# Altium PCB PCB.PcbDoc
Units mil, origin at the board's own origin, x right, y up, seen from the top; angles counter-clockwise.
Board outline 9015 x 5225 mil, 2 copper layers (Top Layer, Bottom Layer); 11 components, 0 nets, 212 pads, 0 vias.
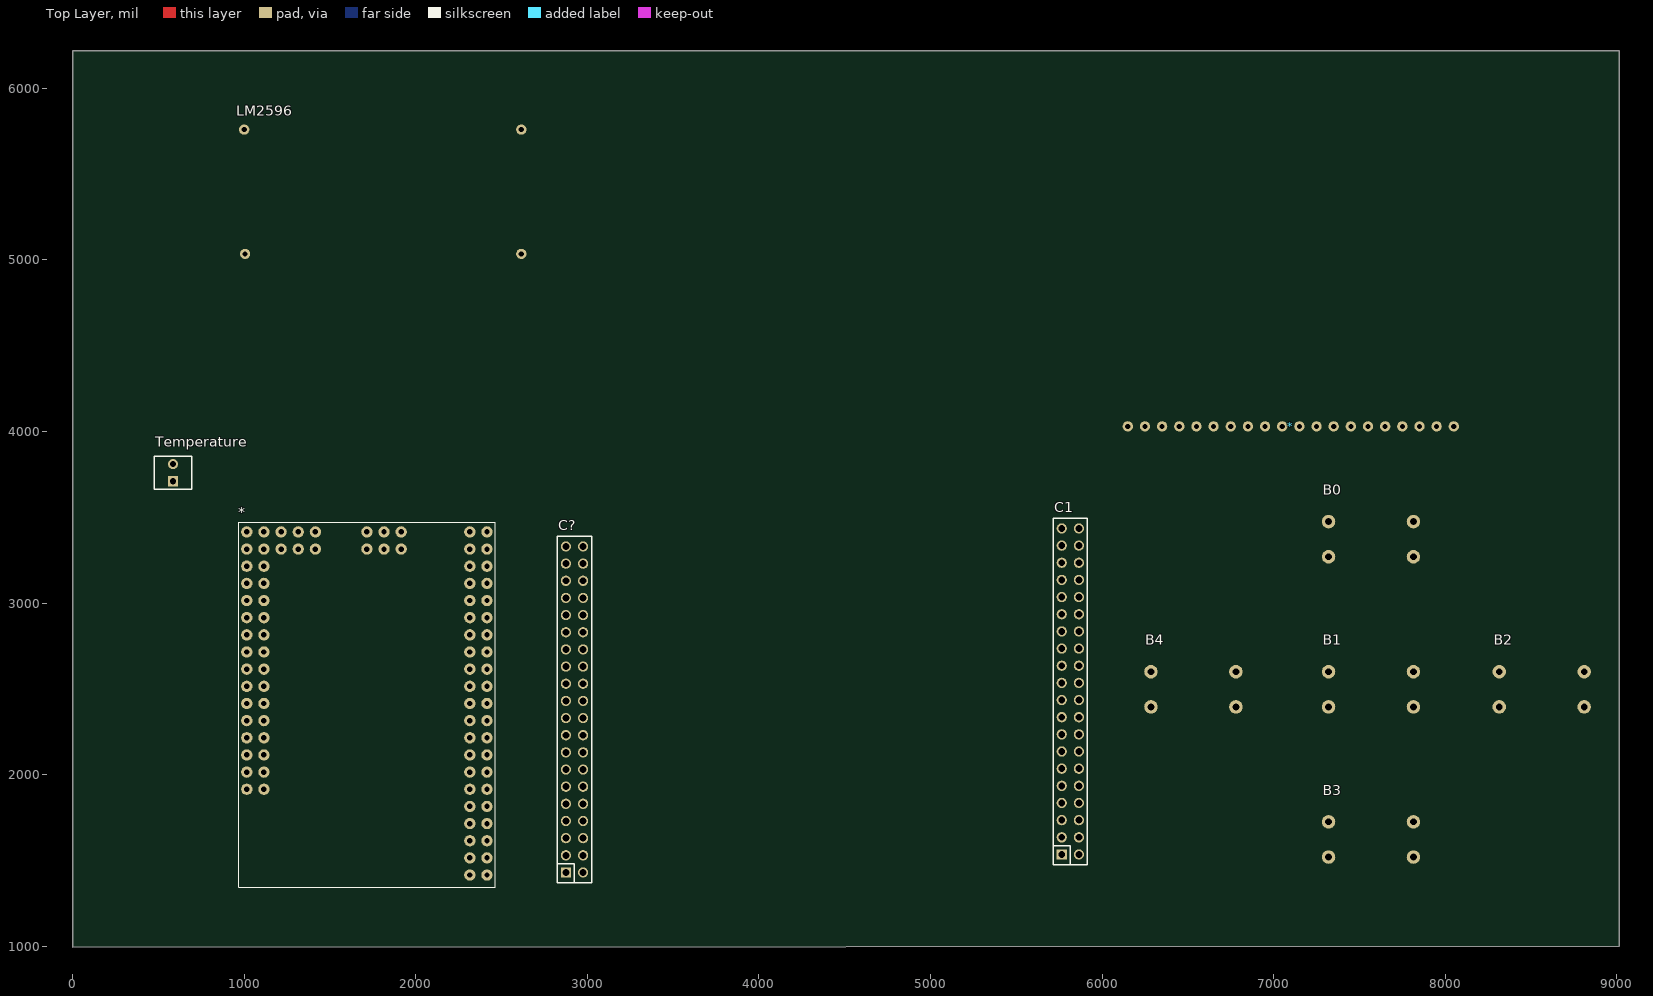
[diagram p0: Top Layer view]
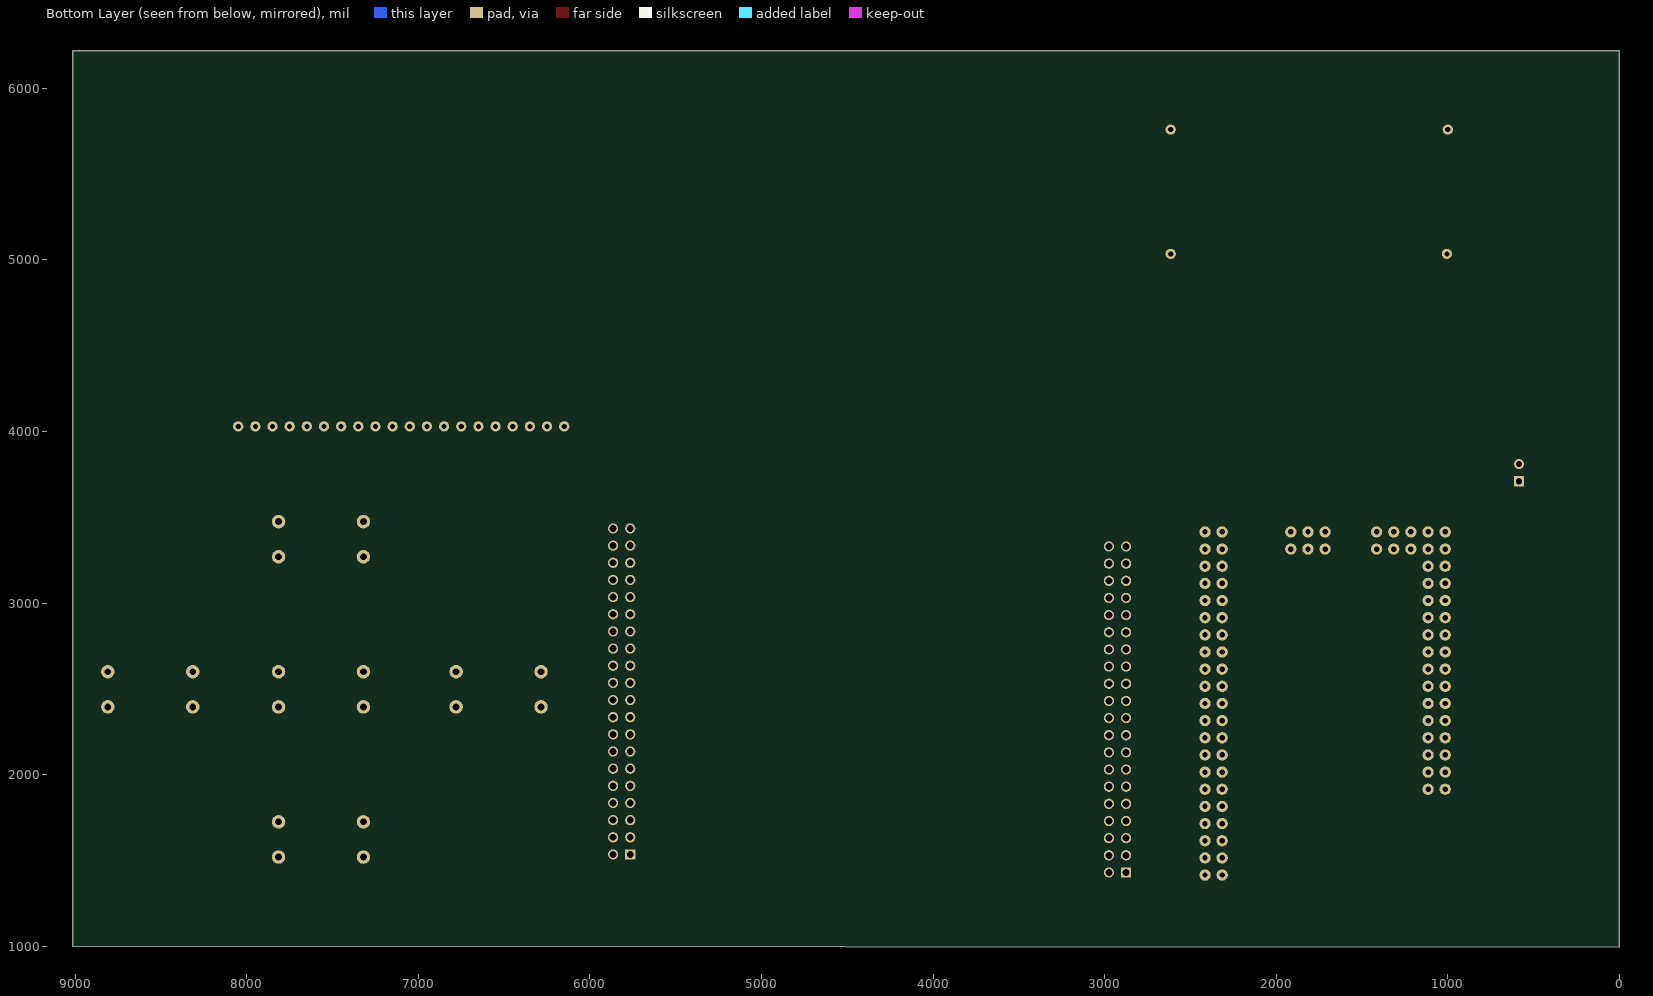
[diagram p1: Bottom Layer view, seen from below]

## Layer stack, top to bottom
Top Solder: solder mask 0.4, Solder Resist, Dk 3.5
Top Layer: signal copper 1.4
Dielectric 1: dielectric 12.6, FR-4, Dk 4.8
Bottom Layer: signal copper 1.4
Bottom Solder: solder mask 0.4, Solder Resist, Dk 3.5

## Board outline
9015,1000 9015,6220 0,6220 0,995

## Design rules (kind name [scope] priority, off if disabled: settings)
Clearance [All] p1: gap=10 ignorepadtopadclearanceinfootprint=FALSE except(0: Arc-Hole Track-Hole SMDPad-Hole THPad-Hole Via-Hole Fill-Hole Poly-Hole Region-Hole Text-Hole)
PolygonConnect [All] p1: connectstyle=Relief reliefconductorwidth=10 reliefentries=4 polygonreliefangle="90 Angle" airgapwidth=10
RoomDefinition Schematic [InComponentClass('Schematic')] p1: confinementstyle=ConfineIn formatcopy=TRUE lockcomponents=FALSE outline 9060,1060 9945,1060 9945,2900 9060,2900
RoutingVias [All] p1: holewidth=28 width=50 viastyle="Through Hole" minholewidth=28 minwidth=50 maxholewidth=28 maxwidth=50
SolderMaskExpansion [All] p1: expansion=4 istentingtop=FALSE
Width [All] p1: maxlimit=10 minlimit=10 preferedwidth=10
30 further rules are at their usual default settings.

## Classes and differential pairs
component class Schematic: * B0 B1 B2 B3 B4 C1 C? LM2596 Temperature

## Components (designator, comment, footprint, x,y, rotation, side; value= is the part's Value field where it differs from the comment)
* "Arduino Mega 2560 Pro" "Arduino Mega 2560 Pro" 1735,2002.13 r90 top
* "LCD128x64" "LCD 128x64" 7195,3710 r0 top
B0 "Button" Button 7560,3370 r90 top
B1 "Button" Button 7560,2495 r90 top
B2 "Button" Button 8555,2495 r90 top
B3 "Button" Button 7560,1620 r90 top
B4 "Button" Button 6525,2495 r90 top
C1 "JP20x2" JP20-C2T 5815,2485 r90 top
C? "JP20x2" JP20-C2T 2925,2380 r90 top
LM2596 "LM2596" LM2596 335,5105 r0 top
Temperature "Header2" HDR2 585,3710 r90 top

## Footprints (in the part's own frame and the unit in brackets; to place one, negate y for a bottom-side part, rotate by r counter-clockwise, add the part's x,y. Pads: shape width x height; smd on the part's side, far side on the other; paste and mask are expansions set on the pad)
"Arduino Mega 2560 Pro" [mil]
  round 66 hole 31.5: 3V3_1(-287.13,-680) 3V3_2(-287.13,-580) 5V_1(-387.13,-680) 5V_2(-387.13,-580) 5V_3(1412.87,20) A0(-87.13,720) A1(-87.13,620) A2(12.87,720) A3(12.87,620) A4(112.87,720) A5(112.87,620) A6(212.87,720) A7(212.87,620) A8(312.87,720) A9(312.87,620) A10(412.87,720) A11(412.87,620) A12(512.87,720) A13(512.87,620) A14(612.87,720) A15(612.87,620) AREF(-187.13,-580) D2(12.87,-580) D3(12.87,-680) D4(112.87,-580) D5(112.87,-680) D6(212.87,-580) D7(212.87,-680) D8(312.87,-580) D9(312.87,-680) D10(412.87,-580) D11(412.87,-680) D12(512.87,-580) D13(512.87,-680) D14(612.87,-580) D15(612.87,-680) D16(712.87,-580) D17(712.87,-680) D18(812.87,-580) D19(812.87,-680) D20(912.87,-580) D21(912.87,-680) D22(1012.87,-580) D23(1012.87,-680) D24(1112.87,-580) D25(1112.87,-680) D26(1212.87,-580) D27(1212.87,-680) D28(1312.87,-580) D29(1312.87,-680) D30(1412.87,-580) D31(1412.87,-680) D32(712.87,720) D33(712.87,620) D34(812.87,720) D35(812.87,620) D36(912.87,720) D37(912.87,620) D38(1012.87,720) D39(1012.87,620) D40(1112.87,720) D41(1112.87,620) D42(1212.87,720) D43(1212.87,620) D44(1312.87,720) D45(1312.87,620) D46(1412.87,720) D47(1412.87,620) D48(1412.87,520) D49(1312.87,520) D50(1412.87,420) D51(1312.87,420) D52(1412.87,320) D53(1312.87,320) GND_1(-487.13,-680) GND_2(-487.13,-580) GND_3(1412.87,-180) MISO(1312.87,20) MOSI(1412.87,-80) RESET(1312.87,-180) RST(-187.13,-680) RX(-87.13,-580) SCK(1312.87,-80) TX(-87.13,-680) VIN_1(-587.13,-680) VIN_2(-587.13,-580)
  silkscreen extent -658,-728 1468,768, body extent -660,-730 1470,766, height 234
Button [mm] "Big But"
  round 2 hole 1: 0(2.667,6.096) 1(2.667,-6.477) 2(-2.54,-6.477) 3(-2.54,6.096)
  body extent -5.97,-7.02 5.86,6.51, height 9.81
HDR2 [mm] "Connector; Header; 2 Position"
  rect 1.5x1.5 hole 0.9: 1(0,0)
  round 1.5 hole 0.9: 2(2.54,0)
  silkscreen extent -1.14,-2.79 3.68,2.77, body extent -1.27,-2.92 3.81,2.88, height 11.72
JP20-C2T [mm] "40 pins, dual row, straight, gold plating"
  rect 1.52x1.52 hole 1.02: 1(-24.13,1.27)
  round 1.52 hole 1.02: 2(-21.59,1.27) 3(-19.05,1.27) 4(-16.51,1.27) 5(-13.97,1.27) 6(-11.43,1.27) 7(-8.89,1.27) 8(-6.35,1.27) 9(-3.81,1.27) 10(-1.27,1.27) 11(1.27,1.27) 12(3.81,1.27) 13(6.35,1.27) 14(8.89,1.27) 15(11.43,1.27) 16(13.97,1.27) 17(16.51,1.27) 18(19.05,1.27) 19(21.59,1.27) 20(24.13,1.27) 21(24.13,-1.27) 22(21.59,-1.27) 23(19.05,-1.27) 24(16.51,-1.27) 25(13.97,-1.27) 26(11.43,-1.27) 27(8.89,-1.27) 28(6.35,-1.27) 29(3.81,-1.27) 30(1.27,-1.27) 31(-1.27,-1.27) 32(-3.81,-1.27) 33(-6.35,-1.27) 34(-8.89,-1.27) 35(-11.43,-1.27) 36(-13.97,-1.27) 37(-16.51,-1.27) 38(-19.05,-1.27) 39(-21.59,-1.27) 40(-24.13,-1.27)
  silkscreen extent -25.65,-2.54 25.65,2.54, body extent -25.65,-2.54 25.65,2.54, height 8.51
"LCD 128x64" [mil]
  round 60 hole 30: BLA(-945,320) BLK(-1045,320) DB0(255,320) DB1(155,320) DB2(55,320) DB3(-45,320) DB4(-145,320) DB5(-245,320) DB6(-345,320) DB7(-445,320) EN(355,320) GND(855,320) NC(-645,320) PSB(-545,320) R/W(455,320) RS(555,320) RST(-745,320) Vcc(755,320) Vo(655,320) Vout(-845,320)
  body extent -1596,220 2066,2976, height 378
LM2596 [mil]
  round 60 hole 30: IN+(665,655) IN-(670,-70) OUT+(2280,655) OUT-(2280,-70)
  body extent 609,-122 2341,705, height 516

## Part data
B0 B1 B2 B3 B4: "BigBoob"
C1 C?: "WR-PHD 2.54 mm Dual Socket Header", Manufacturer="W¨¹rth Elektronik eiSos GmbH", partNo=61304021821, ComponentLink1 Description=Manufacturer, ComponentLink1URL=http://www.we-online.com, ComponentLink2 Description=Datasheet, ComponentLink2URL=http://katalog.we-online.de/em/datasheet/6130xx21821.pdf, Created by="Karrer Zheng", Created Date="29 March 2013", NoPins=40
Temperature: "Header IDC, 2 x 1 Pin Vertical 2.54mm Pitch (Non-Boxed, Male)", Manufacturer="W¨¹rth Elektronik eiSos GmbH", partNo=613002143121, ComponentLink1 Description=Manufacturer, ComponentLink1URL=http://www.we-online.com, ComponentLink2 Description=Datasheet, ComponentLink2URL=http://katalog.we-online.de/em/datasheet/6130xx143121.pdf, Created by="Karrer Zheng", Created Date="29 March 2013", NoPins=02

## Nets (pads, with @x,y where several pads share a name; then routed paths per layer and width w, separated by ;. In a path a pad name is that pad's centre, name@x,y a point inside that pad or via, vN(x,y) a via of type N, cw(c..) or ccw(c..) an arc to the next point about the centre after c; other vN are vias at no path point)
pads on no net: *.3V3_1 *.3V3_2 *.5V_1 *.5V_2 *.5V_3 *.A0 *.A1 *.A2 *.A3 *.A4 *.A5 *.A6 *.A7 *.A8 *.A9 *.A10 *.A11 *.A12 *.A13 *.A14 *.A15 *.AREF *.BLA *.BLK *.D2 *.D3 *.D4 *.D5 *.D6 *.D7 *.D8 *.D9 *.D10 *.D11 *.D12 *.D13 *.D14 *.D15 *.D16 *.D17 *.D18 *.D19 *.D20 *.D21 *.D22 *.D23 *.D24 *.D25 *.D26 *.D27 *.D28 *.D29 *.D30 *.D31 *.D32 *.D33 *.D34 *.D35 *.D36 *.D37 *.D38 *.D39 *.D40 *.D41 *.D42 *.D43 *.D44 *.D45 *.D46 *.D47 *.D48 *.D49 *.D50 *.D51 *.D52 *.D53 *.DB0 *.DB1 *.DB2 *.DB3 *.DB4 *.DB5 *.DB6 *.DB7 *.EN *.GND *.GND_1 *.GND_2 *.GND_3 *.MISO *.MOSI *.NC *.PSB *.R/W *.RESET *.RS *.RST *.RX *.SCK *.TX *.Vcc *.VIN_1 *.VIN_2 *.Vo *.Vout B0.0 B0.1 B0.2 B0.3 B1.0 B1.1 B1.2 B1.3 B2.0 B2.1 B2.2 B2.3 B3.0 B3.1 B3.2 B3.3 B4.0 B4.1 B4.2 B4.3 C1.1 C1.2 C1.3 C1.4 C1.5 C1.6 C1.7 C1.8 C1.9 C1.10 C1.11 C1.12 C1.13 C1.14 C1.15 C1.16 C1.17 C1.18 C1.19 C1.20 C1.21 C1.22 C1.23 C1.24 C1.25 C1.26 C1.27 C1.28 C1.29 C1.30 C1.31 C1.32 C1.33 C1.34 C1.35 C1.36 C1.37 C1.38 C1.39 C1.40 C?.1 C?.2 C?.3 C?.4 C?.5 C?.6 C?.7 C?.8 C?.9 C?.10 C?.11 C?.12 C?.13 C?.14 C?.15 C?.16 C?.17 C?.18 C?.19 C?.20 C?.21 C?.22 C?.23 C?.24 C?.25 C?.26 C?.27 C?.28 C?.29 C?.30 C?.31 C?.32 C?.33 C?.34 C?.35 C?.36 C?.37 C?.38 C?.39 C?.40 LM2596.IN+ LM2596.IN- LM2596.OUT+ LM2596.OUT- Temperature.1 Temperature.2